# KiCad board SparkFun_BlueSMiRF-ESP32_panelized.kicad_pcb (continued)
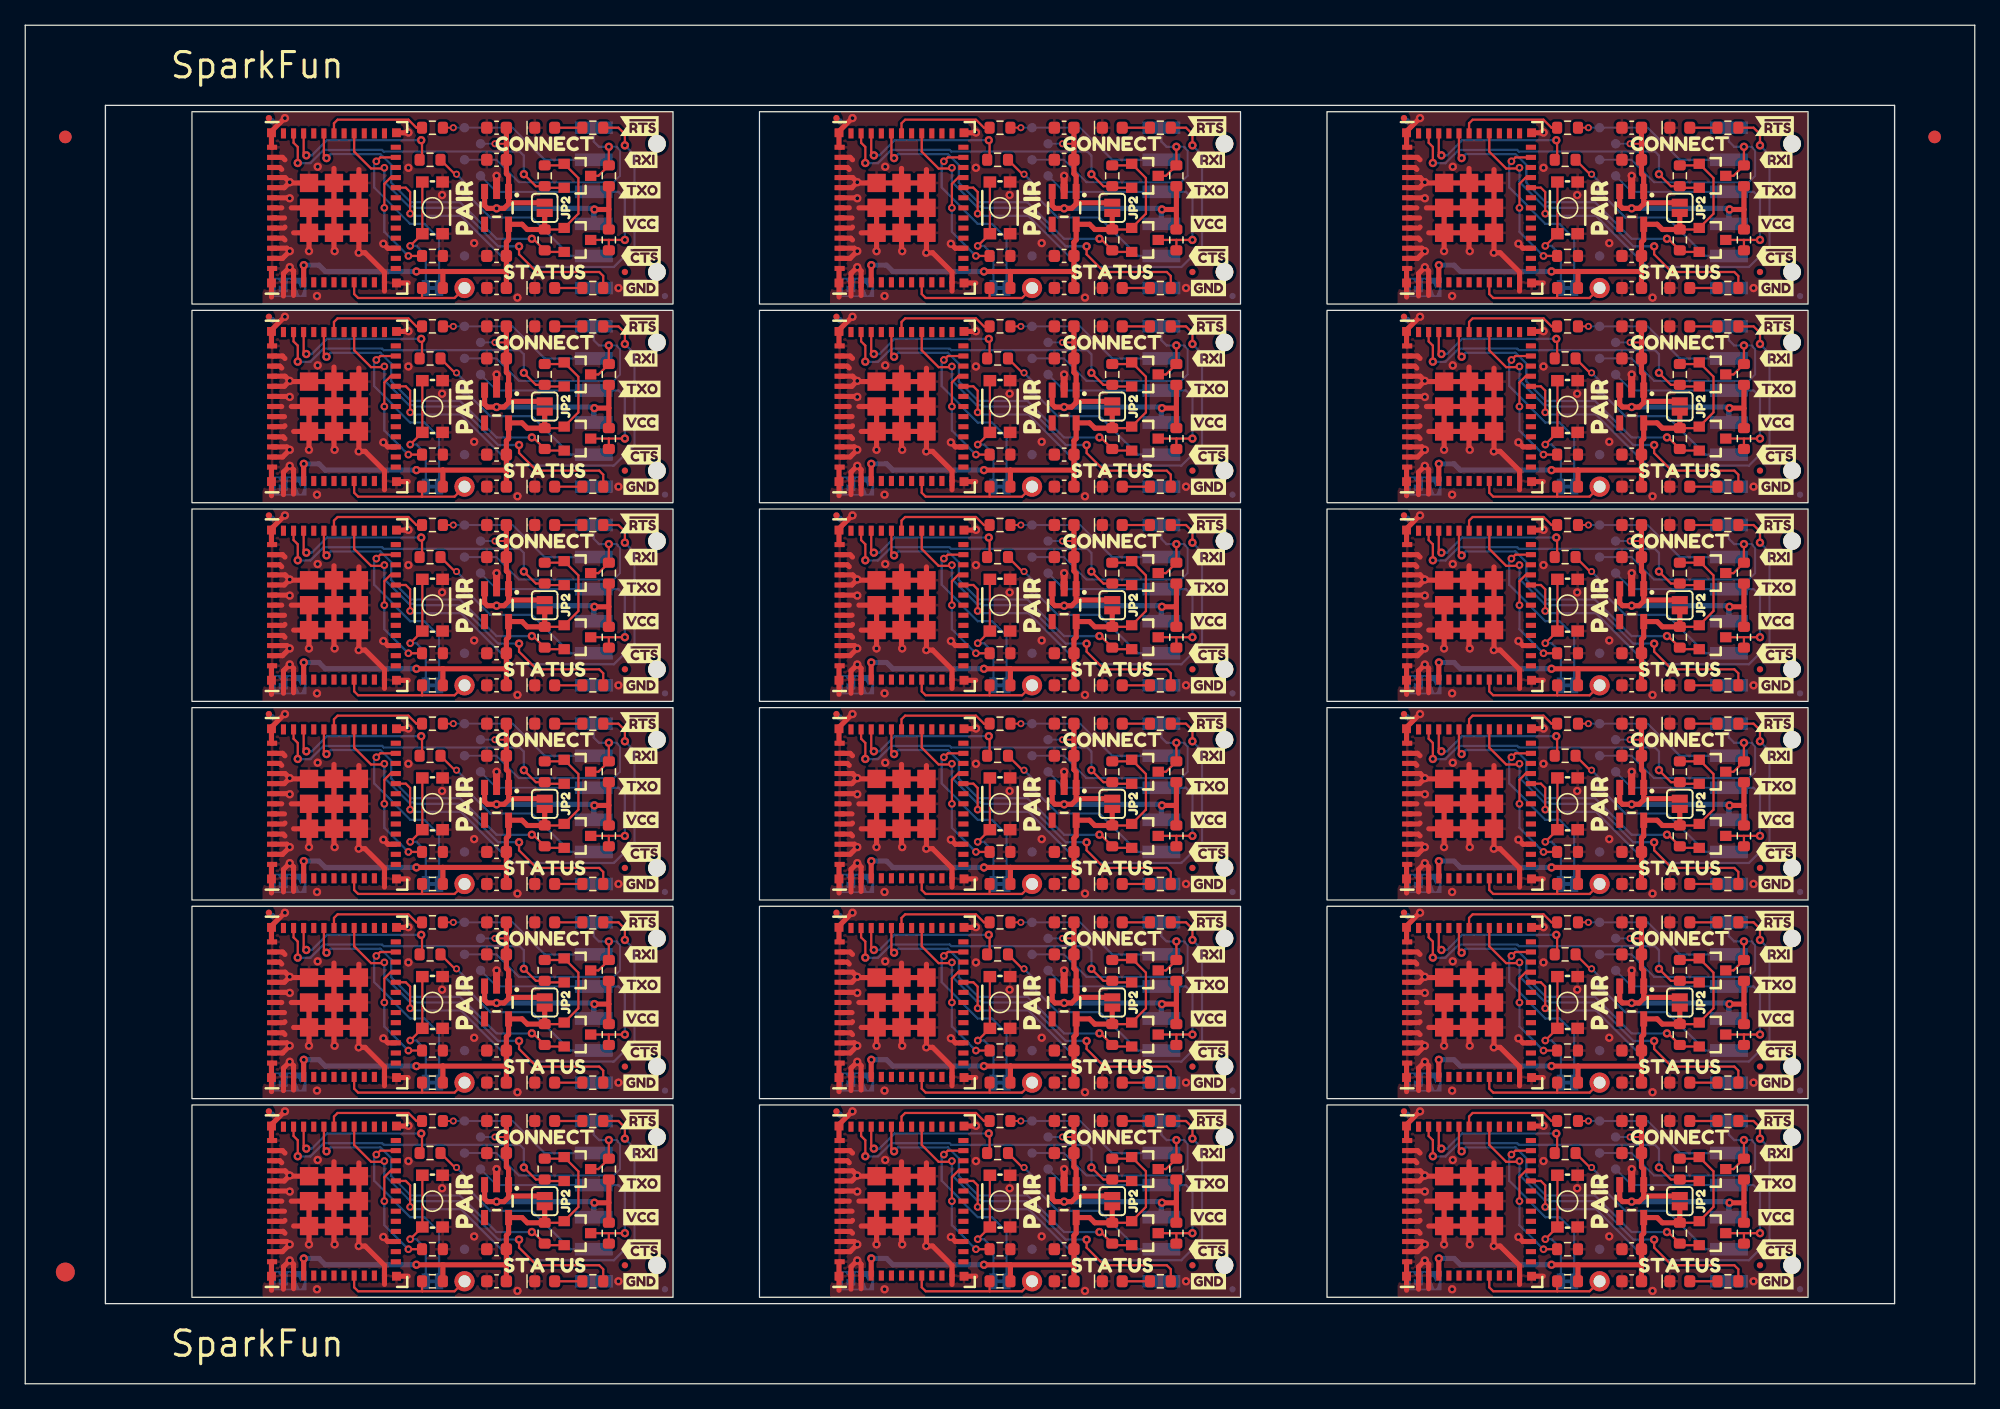
[diagram p0: board, top side]
## Placement (name value [footprint] x y rotation side) (continued)
kibuzzard-64C48455#10  G***  [kibuzzard-64C48455]  93.71 44.68 0 top
kibuzzard-64C48455#11  G***  [kibuzzard-64C48455]  138.66 60.42 0 top
kibuzzard-64C48455#12  G***  [kibuzzard-64C48455]  93.71 91.9 0 top
kibuzzard-64C48455#13  G***  [kibuzzard-64C48455]  48.76 44.68 0 top
kibuzzard-64C48455#14  G***  [kibuzzard-64C48455]  138.66 28.94 0 top
kibuzzard-64C48455#15  G***  [kibuzzard-64C48455]  48.76 76.16 0 top
kibuzzard-64C48455#16  G***  [kibuzzard-64C48455]  93.71 60.42 0 top
kibuzzard-64C48455#17  G***  [kibuzzard-64C48455]  138.66 91.9 0 top
kibuzzard-64C48455#18  G***  [kibuzzard-64C48455]  48.76 60.42 0 top
kibuzzard-655A5C31  G***  [kibuzzard-655A5C31]  42.79 61.69 90 top
kibuzzard-655A5C31#2  G***  [kibuzzard-655A5C31]  132.69 45.95 90 top
kibuzzard-655A5C31#3  G***  [kibuzzard-655A5C31]  42.79 14.47 90 top
kibuzzard-655A5C31#4  G***  [kibuzzard-655A5C31]  132.69 93.17 90 top
kibuzzard-655A5C31#5  G***  [kibuzzard-655A5C31]  87.74 30.21 90 top
kibuzzard-655A5C31#6  G***  [kibuzzard-655A5C31]  132.69 14.47 90 top
kibuzzard-655A5C31#7  G***  [kibuzzard-655A5C31]  87.74 93.17 90 top
kibuzzard-655A5C31#8  G***  [kibuzzard-655A5C31]  132.69 30.21 90 top
kibuzzard-655A5C31#9  G***  [kibuzzard-655A5C31]  42.79 93.17 90 top
kibuzzard-655A5C31#10  G***  [kibuzzard-655A5C31]  42.79 45.95 90 top
kibuzzard-655A5C31#11  G***  [kibuzzard-655A5C31]  87.74 45.95 90 top
kibuzzard-655A5C31#12  G***  [kibuzzard-655A5C31]  87.74 77.43 90 top
kibuzzard-655A5C31#13  G***  [kibuzzard-655A5C31]  87.74 14.47 90 top
kibuzzard-655A5C31#14  G***  [kibuzzard-655A5C31]  132.69 61.69 90 top
kibuzzard-655A5C31#15  G***  [kibuzzard-655A5C31]  42.79 77.43 90 top
kibuzzard-655A5C31#16  G***  [kibuzzard-655A5C31]  42.79 30.21 90 top
kibuzzard-655A5C31#17  G***  [kibuzzard-655A5C31]  87.74 61.69 90 top
kibuzzard-655A5C31#18  G***  [kibuzzard-655A5C31]  132.69 77.43 90 top
kibuzzard-655A45DC  G***  [kibuzzard-655A45DC]  81.9 71.08 180 bottom
kibuzzard-655A45DC#2  G***  [kibuzzard-655A45DC]  36.95 55.34 180 bottom
kibuzzard-655A45DC#3  G***  [kibuzzard-655A45DC]  126.85 8.12 180 bottom
kibuzzard-655A45DC#4  G***  [kibuzzard-655A45DC]  81.9 8.12 180 bottom
kibuzzard-655A45DC#5  G***  [kibuzzard-655A45DC]  126.85 39.6 180 bottom
kibuzzard-655A45DC#6  G***  [kibuzzard-655A45DC]  81.9 39.6 180 bottom
kibuzzard-655A45DC#7  G***  [kibuzzard-655A45DC]  126.85 86.82 180 bottom
kibuzzard-655A45DC#8  G***  [kibuzzard-655A45DC]  126.85 71.08 180 bottom
kibuzzard-655A45DC#9  G***  [kibuzzard-655A45DC]  126.85 23.86 180 bottom
kibuzzard-655A45DC#10  G***  [kibuzzard-655A45DC]  36.95 39.6 180 bottom
kibuzzard-655A45DC#11  G***  [kibuzzard-655A45DC]  126.85 55.34 180 bottom
kibuzzard-655A45DC#12  G***  [kibuzzard-655A45DC]  81.9 86.82 180 bottom
kibuzzard-655A45DC#13  G***  [kibuzzard-655A45DC]  81.9 23.86 180 bottom
kibuzzard-655A45DC#14  G***  [kibuzzard-655A45DC]  36.95 86.82 180 bottom
kibuzzard-655A45DC#15  G***  [kibuzzard-655A45DC]  36.95 71.08 180 bottom
kibuzzard-655A45DC#16  G***  [kibuzzard-655A45DC]  36.95 8.12 180 bottom
kibuzzard-655A45DC#17  G***  [kibuzzard-655A45DC]  36.95 23.86 180 bottom
kibuzzard-655A45DC#18  G***  [kibuzzard-655A45DC]  81.9 55.34 180 bottom
kibuzzard-655A454B  G***  [kibuzzard-655A454B]  41.39 34.02 180 bottom
kibuzzard-655A454B#2  G***  [kibuzzard-655A454B]  41.39 18.28 180 bottom
kibuzzard-655A454B#3  G***  [kibuzzard-655A454B]  86.34 81.24 180 bottom
kibuzzard-655A454B#4  G***  [kibuzzard-655A454B]  41.39 49.76 180 bottom
kibuzzard-655A454B#5  G***  [kibuzzard-655A454B]  131.29 96.98 180 bottom
kibuzzard-655A454B#6  G***  [kibuzzard-655A454B]  41.39 81.24 180 bottom
kibuzzard-655A454B#7  G***  [kibuzzard-655A454B]  131.29 81.24 180 bottom
kibuzzard-655A454B#8  G***  [kibuzzard-655A454B]  86.34 18.28 180 bottom
kibuzzard-655A454B#9  G***  [kibuzzard-655A454B]  86.34 34.02 180 bottom
kibuzzard-655A454B#10  G***  [kibuzzard-655A454B]  131.29 65.5 180 bottom
kibuzzard-655A454B#11  G***  [kibuzzard-655A454B]  86.34 96.98 180 bottom
kibuzzard-655A454B#12  G***  [kibuzzard-655A454B]  131.29 49.76 180 bottom
kibuzzard-655A454B#13  G***  [kibuzzard-655A454B]  86.34 65.5 180 bottom
kibuzzard-655A454B#14  G***  [kibuzzard-655A454B]  86.34 49.76 180 bottom
kibuzzard-655A454B#15  G***  [kibuzzard-655A454B]  41.39 65.5 180 bottom
kibuzzard-655A454B#16  G***  [kibuzzard-655A454B]  41.39 96.98 180 bottom
kibuzzard-655A454B#17  G***  [kibuzzard-655A454B]  131.29 34.02 180 bottom
kibuzzard-655A454B#18  G***  [kibuzzard-655A454B]  131.29 18.28 180 bottom
kibuzzard-655A539C  G***  [kibuzzard-655A539C]  138.53 99.65 0 top
kibuzzard-655A539C#2  G***  [kibuzzard-655A539C]  48.63 36.69 0 top
kibuzzard-655A539C#3  G***  [kibuzzard-655A539C]  48.63 20.95 0 top
kibuzzard-655A539C#4  G***  [kibuzzard-655A539C]  138.53 68.17 0 top
kibuzzard-655A539C#5  G***  [kibuzzard-655A539C]  48.63 52.43 0 top
kibuzzard-655A539C#6  G***  [kibuzzard-655A539C]  93.58 68.17 0 top
kibuzzard-655A539C#7  G***  [kibuzzard-655A539C]  93.58 83.91 0 top
kibuzzard-655A539C#8  G***  [kibuzzard-655A539C]  48.63 68.17 0 top
kibuzzard-655A539C#9  G***  [kibuzzard-655A539C]  93.58 20.95 0 top
kibuzzard-655A539C#10  G***  [kibuzzard-655A539C]  48.63 83.91 0 top
kibuzzard-655A539C#11  G***  [kibuzzard-655A539C]  93.58 52.43 0 top
kibuzzard-655A539C#12  G***  [kibuzzard-655A539C]  93.58 36.69 0 top
kibuzzard-655A539C#13  G***  [kibuzzard-655A539C]  138.53 36.69 0 top
kibuzzard-655A539C#14  G***  [kibuzzard-655A539C]  48.63 99.65 0 top
kibuzzard-655A539C#15  G***  [kibuzzard-655A539C]  138.53 20.95 0 top
kibuzzard-655A539C#16  G***  [kibuzzard-655A539C]  93.58 99.65 0 top
kibuzzard-655A539C#17  G***  [kibuzzard-655A539C]  138.53 52.43 0 top
kibuzzard-655A539C#18  G***  [kibuzzard-655A539C]  138.53 83.91 0 top
kibuzzard-655A4531  G***  [kibuzzard-655A4531]  93.71 65.5 0 top
kibuzzard-655A4531#2  G***  [kibuzzard-655A4531]  48.76 18.28 0 top
kibuzzard-655A4531#3  G***  [kibuzzard-655A4531]  48.76 49.76 0 top
kibuzzard-655A4531#4  G***  [kibuzzard-655A4531]  93.71 49.76 0 top
kibuzzard-655A4531#5  G***  [kibuzzard-655A4531]  138.66 34.02 0 top
kibuzzard-655A4531#6  G***  [kibuzzard-655A4531]  138.66 96.98 0 top
kibuzzard-655A4531#7  G***  [kibuzzard-655A4531]  93.71 96.98 0 top
kibuzzard-655A4531#8  G***  [kibuzzard-655A4531]  93.71 34.02 0 top
kibuzzard-655A4531#9  G***  [kibuzzard-655A4531]  138.66 18.28 0 top
kibuzzard-655A4531#10  G***  [kibuzzard-655A4531]  93.71 81.24 0 top
kibuzzard-655A4531#11  G***  [kibuzzard-655A4531]  48.76 96.98 0 top
kibuzzard-655A4531#12  G***  [kibuzzard-655A4531]  93.71 18.28 0 top
kibuzzard-655A4531#13  G***  [kibuzzard-655A4531]  48.76 34.02 0 top
kibuzzard-655A4531#14  G***  [kibuzzard-655A4531]  48.76 65.5 0 top
kibuzzard-655A4531#15  G***  [kibuzzard-655A4531]  138.66 65.5 0 top
kibuzzard-655A4531#16  G***  [kibuzzard-655A4531]  138.66 81.24 0 top
kibuzzard-655A4531#17  G***  [kibuzzard-655A4531]  48.76 81.24 0 top
kibuzzard-655A4531#18  G***  [kibuzzard-655A4531]  138.66 49.76 0 top
kibuzzard-655A4561  G***  [kibuzzard-655A4561]  85.84 15.71 180 bottom
kibuzzard-655A4561#2  G***  [kibuzzard-655A4561]  40.89 62.93 180 bottom
kibuzzard-655A4561#3  G***  [kibuzzard-655A4561]  130.79 78.67 180 bottom
kibuzzard-655A4561#4  G***  [kibuzzard-655A4561]  40.89 47.19 180 bottom
kibuzzard-655A4561#5  G***  [kibuzzard-655A4561]  130.79 62.93 180 bottom
kibuzzard-655A4561#6  G***  [kibuzzard-655A4561]  85.84 78.67 180 bottom
kibuzzard-655A4561#7  G***  [kibuzzard-655A4561]  40.89 15.71 180 bottom
kibuzzard-655A4561#8  G***  [kibuzzard-655A4561]  85.84 94.41 180 bottom
kibuzzard-655A4561#9  G***  [kibuzzard-655A4561]  130.79 47.19 180 bottom
kibuzzard-655A4561#10  G***  [kibuzzard-655A4561]  40.89 94.41 180 bottom
kibuzzard-655A4561#11  G***  [kibuzzard-655A4561]  130.79 15.71 180 bottom
kibuzzard-655A4561#12  G***  [kibuzzard-655A4561]  85.84 47.19 180 bottom
kibuzzard-655A4561#13  G***  [kibuzzard-655A4561]  130.79 94.41 180 bottom
kibuzzard-655A4561#14  G***  [kibuzzard-655A4561]  40.89 78.67 180 bottom
kibuzzard-655A4561#15  G***  [kibuzzard-655A4561]  40.89 31.45 180 bottom
kibuzzard-655A4561#16  G***  [kibuzzard-655A4561]  130.79 31.45 180 bottom
kibuzzard-655A4561#17  G***  [kibuzzard-655A4561]  85.84 31.45 180 bottom
kibuzzard-655A4561#18  G***  [kibuzzard-655A4561]  85.84 62.93 180 bottom
kibuzzard-655A5305  G***  [kibuzzard-655A5305]  40.25 60.42 180 bottom
kibuzzard-655A5305#2  G***  [kibuzzard-655A5305]  130.15 28.94 180 bottom
kibuzzard-655A5305#3  G***  [kibuzzard-655A5305]  40.25 91.9 180 bottom
kibuzzard-655A5305#4  G***  [kibuzzard-655A5305]  40.25 44.68 180 bottom
kibuzzard-655A5305#5  G***  [kibuzzard-655A5305]  130.15 76.16 180 bottom
kibuzzard-655A5305#6  G***  [kibuzzard-655A5305]  40.25 28.94 180 bottom
kibuzzard-655A5305#7  G***  [kibuzzard-655A5305]  40.25 76.16 180 bottom
kibuzzard-655A5305#8  G***  [kibuzzard-655A5305]  130.15 60.42 180 bottom
kibuzzard-655A5305#9  G***  [kibuzzard-655A5305]  85.2 60.42 180 bottom
kibuzzard-655A5305#10  G***  [kibuzzard-655A5305]  85.2 13.2 180 bottom
kibuzzard-655A5305#11  G***  [kibuzzard-655A5305]  130.15 44.68 180 bottom
kibuzzard-655A5305#12  G***  [kibuzzard-655A5305]  85.2 91.9 180 bottom
kibuzzard-655A5305#13  G***  [kibuzzard-655A5305]  85.2 44.68 180 bottom
kibuzzard-655A5305#14  G***  [kibuzzard-655A5305]  85.2 76.16 180 bottom
kibuzzard-655A5305#15  G***  [kibuzzard-655A5305]  130.15 13.2 180 bottom
kibuzzard-655A5305#16  G***  [kibuzzard-655A5305]  40.25 13.2 180 bottom
kibuzzard-655A5305#17  G***  [kibuzzard-655A5305]  85.2 28.94 180 bottom
kibuzzard-655A5305#18  G***  [kibuzzard-655A5305]  130.15 91.9 180 bottom
kibuzzard-655A5381  G***  [kibuzzard-655A5381]  48.63 94.57 0 top
kibuzzard-655A5381#2  G***  [kibuzzard-655A5381]  138.53 15.87 0 top
kibuzzard-655A5381#3  G***  [kibuzzard-655A5381]  138.53 47.35 0 top
kibuzzard-655A5381#4  G***  [kibuzzard-655A5381]  138.53 94.57 0 top
kibuzzard-655A5381#5  G***  [kibuzzard-655A5381]  48.63 31.61 0 top
kibuzzard-655A5381#6  G***  [kibuzzard-655A5381]  48.63 15.87 0 top
kibuzzard-655A5381#7  G***  [kibuzzard-655A5381]  93.58 78.83 0 top
kibuzzard-655A5381#8  G***  [kibuzzard-655A5381]  48.63 47.35 0 top
kibuzzard-655A5381#9  G***  [kibuzzard-655A5381]  93.58 94.57 0 top
kibuzzard-655A5381#10  G***  [kibuzzard-655A5381]  138.53 78.83 0 top
kibuzzard-655A5381#11  G***  [kibuzzard-655A5381]  93.58 15.87 0 top
kibuzzard-655A5381#12  G***  [kibuzzard-655A5381]  138.53 31.61 0 top
kibuzzard-655A5381#13  G***  [kibuzzard-655A5381]  93.58 47.35 0 top
kibuzzard-655A5381#14  G***  [kibuzzard-655A5381]  93.58 63.09 0 top
kibuzzard-655A5381#15  G***  [kibuzzard-655A5381]  48.63 78.83 0 top
kibuzzard-655A5381#16  G***  [kibuzzard-655A5381]  93.58 31.61 0 top
kibuzzard-655A5381#17  G***  [kibuzzard-655A5381]  48.63 63.09 0 top
kibuzzard-655A5381#18  G***  [kibuzzard-655A5381]  138.53 63.09 0 top
kibuzzard-65022EAF  G***  [kibuzzard-65022EAF]  86.22 39.6 180 bottom
kibuzzard-65022EAF#2  G***  [kibuzzard-65022EAF]  86.22 55.34 180 bottom
kibuzzard-65022EAF#3  G***  [kibuzzard-65022EAF]  41.27 55.34 180 bottom
kibuzzard-65022EAF#4  G***  [kibuzzard-65022EAF]  41.27 23.86 180 bottom
kibuzzard-65022EAF#5  G***  [kibuzzard-65022EAF]  86.22 23.86 180 bottom
kibuzzard-65022EAF#6  G***  [kibuzzard-65022EAF]  41.27 8.12 180 bottom
kibuzzard-65022EAF#7  G***  [kibuzzard-65022EAF]  131.17 39.6 180 bottom
kibuzzard-65022EAF#8  G***  [kibuzzard-65022EAF]  86.22 86.82 180 bottom
kibuzzard-65022EAF#9  G***  [kibuzzard-65022EAF]  131.17 55.34 180 bottom
kibuzzard-65022EAF#10  G***  [kibuzzard-65022EAF]  131.17 23.86 180 bottom
kibuzzard-65022EAF#11  G***  [kibuzzard-65022EAF]  41.27 39.6 180 bottom
kibuzzard-65022EAF#12  G***  [kibuzzard-65022EAF]  131.17 8.12 180 bottom
kibuzzard-65022EAF#13  G***  [kibuzzard-65022EAF]  41.27 71.08 180 bottom
kibuzzard-65022EAF#14  G***  [kibuzzard-65022EAF]  131.17 86.82 180 bottom
kibuzzard-65022EAF#15  G***  [kibuzzard-65022EAF]  131.17 71.08 180 bottom
kibuzzard-65022EAF#16  G***  [kibuzzard-65022EAF]  86.22 71.08 180 bottom
kibuzzard-65022EAF#17  G***  [kibuzzard-65022EAF]  41.27 86.82 180 bottom
kibuzzard-65022EAF#18  G***  [kibuzzard-65022EAF]  86.22 8.12 180 bottom
kibuzzard-65022F1B  G***  [kibuzzard-65022F1B]  119.23 39.59 180 bottom
kibuzzard-65022F1B#2  G***  [kibuzzard-65022F1B]  119.23 86.81 180 bottom
kibuzzard-65022F1B#3  G***  [kibuzzard-65022F1B]  74.28 23.85 180 bottom
kibuzzard-65022F1B#4  G***  [kibuzzard-65022F1B]  119.23 8.11 180 bottom
kibuzzard-65022F1B#5  G***  [kibuzzard-65022F1B]  29.33 39.59 180 bottom
kibuzzard-65022F1B#6  G***  [kibuzzard-65022F1B]  119.23 71.07 180 bottom
kibuzzard-65022F1B#7  G***  [kibuzzard-65022F1B]  74.28 55.33 180 bottom
kibuzzard-65022F1B#8  G***  [kibuzzard-65022F1B]  74.28 39.59 180 bottom
kibuzzard-65022F1B#9  G***  [kibuzzard-65022F1B]  29.33 23.85 180 bottom
kibuzzard-65022F1B#10  G***  [kibuzzard-65022F1B]  119.23 23.85 180 bottom
kibuzzard-65022F1B#11  G***  [kibuzzard-65022F1B]  74.28 86.81 180 bottom
kibuzzard-65022F1B#12  G***  [kibuzzard-65022F1B]  74.28 71.07 180 bottom
kibuzzard-65022F1B#13  G***  [kibuzzard-65022F1B]  29.33 55.33 180 bottom
kibuzzard-65022F1B#14  G***  [kibuzzard-65022F1B]  74.28 8.11 180 bottom
kibuzzard-65022F1B#15  G***  [kibuzzard-65022F1B]  29.33 71.07 180 bottom
kibuzzard-65022F1B#16  G***  [kibuzzard-65022F1B]  119.23 55.33 180 bottom
kibuzzard-65022F1B#17  G***  [kibuzzard-65022F1B]  29.33 8.11 180 bottom
kibuzzard-65022F1B#18  G***  [kibuzzard-65022F1B]  29.33 86.81 180 bottom
kibuzzard-65597E65  G***  [kibuzzard-65597E65]  48.76 57.88 0 top
kibuzzard-65597E65#2  G***  [kibuzzard-65597E65]  93.71 10.66 0 top
kibuzzard-65597E65#3  G***  [kibuzzard-65597E65]  138.66 42.14 0 top
kibuzzard-65597E65#4  G***  [kibuzzard-65597E65]  138.66 89.36 0 top
kibuzzard-65597E65#5  G***  [kibuzzard-65597E65]  138.66 73.62 0 top
kibuzzard-65597E65#6  G***  [kibuzzard-65597E65]  93.71 89.36 0 top
kibuzzard-65597E65#7  G***  [kibuzzard-65597E65]  48.76 89.36 0 top
kibuzzard-65597E65#8  G***  [kibuzzard-65597E65]  48.76 10.66 0 top
kibuzzard-65597E65#9  G***  [kibuzzard-65597E65]  138.66 10.66 0 top
kibuzzard-65597E65#10  G***  [kibuzzard-65597E65]  93.71 26.4 0 top
kibuzzard-65597E65#11  G***  [kibuzzard-65597E65]  138.66 57.88 0 top
kibuzzard-65597E65#12  G***  [kibuzzard-65597E65]  93.71 42.14 0 top
kibuzzard-65597E65#13  G***  [kibuzzard-65597E65]  48.76 73.62 0 top
kibuzzard-65597E65#14  G***  [kibuzzard-65597E65]  48.76 26.4 0 top
kibuzzard-65597E65#15  G***  [kibuzzard-65597E65]  93.71 57.88 0 top
kibuzzard-65597E65#16  G***  [kibuzzard-65597E65]  93.71 73.62 0 top
kibuzzard-65597E65#17  G***  [kibuzzard-65597E65]  48.76 42.14 0 top
kibuzzard-65597E65#18  G***  [kibuzzard-65597E65]  138.66 26.4 0 top
kibuzzard-65597EC2  G***  [kibuzzard-65597EC2]  130.91 89.36 180 bottom
kibuzzard-65597EC2#2  G***  [kibuzzard-65597EC2]  85.96 10.66 180 bottom
kibuzzard-65597EC2#3  G***  [kibuzzard-65597EC2]  41.01 26.4 180 bottom
kibuzzard-65597EC2#4  G***  [kibuzzard-65597EC2]  41.01 73.62 180 bottom
kibuzzard-65597EC2#5  G***  [kibuzzard-65597EC2]  85.96 57.88 180 bottom
kibuzzard-65597EC2#6  G***  [kibuzzard-65597EC2]  130.91 73.62 180 bottom
kibuzzard-65597EC2#7  G***  [kibuzzard-65597EC2]  41.01 89.36 180 bottom
kibuzzard-65597EC2#8  G***  [kibuzzard-65597EC2]  85.96 42.14 180 bottom
kibuzzard-65597EC2#9  G***  [kibuzzard-65597EC2]  130.91 26.4 180 bottom
kibuzzard-65597EC2#10  G***  [kibuzzard-65597EC2]  41.01 42.14 180 bottom
kibuzzard-65597EC2#11  G***  [kibuzzard-65597EC2]  85.96 89.36 180 bottom
kibuzzard-65597EC2#12  G***  [kibuzzard-65597EC2]  41.01 10.66 180 bottom
kibuzzard-65597EC2#13  G***  [kibuzzard-65597EC2]  41.01 57.88 180 bottom
kibuzzard-65597EC2#14  G***  [kibuzzard-65597EC2]  85.96 73.62 180 bottom
kibuzzard-65597EC2#15  G***  [kibuzzard-65597EC2]  85.96 26.4 180 bottom
kibuzzard-65597EC2#16  G***  [kibuzzard-65597EC2]  130.91 42.14 180 bottom
kibuzzard-65597EC2#17  G***  [kibuzzard-65597EC2]  130.91 57.88 180 bottom
kibuzzard-65597EC2#18  G***  [kibuzzard-65597EC2]  130.91 10.66 180 bottom
kibuzzard-65597EE2  G***  [kibuzzard-65597EE2]  41.14 36.55 180 bottom
kibuzzard-65597EE2#2  G***  [kibuzzard-65597EE2]  86.09 68.03 180 bottom
kibuzzard-65597EE2#3  G***  [kibuzzard-65597EE2]  41.14 68.03 180 bottom
kibuzzard-65597EE2#4  G***  [kibuzzard-65597EE2]  86.09 20.81 180 bottom
kibuzzard-65597EE2#5  G***  [kibuzzard-65597EE2]  131.04 99.51 180 bottom
kibuzzard-65597EE2#6  G***  [kibuzzard-65597EE2]  131.04 68.03 180 bottom
kibuzzard-65597EE2#7  G***  [kibuzzard-65597EE2]  86.09 52.29 180 bottom
kibuzzard-65597EE2#8  G***  [kibuzzard-65597EE2]  86.09 36.55 180 bottom
kibuzzard-65597EE2#9  G***  [kibuzzard-65597EE2]  131.04 83.77 180 bottom
kibuzzard-65597EE2#10  G***  [kibuzzard-65597EE2]  86.09 83.77 180 bottom
kibuzzard-65597EE2#11  G***  [kibuzzard-65597EE2]  41.14 20.81 180 bottom
kibuzzard-65597EE2#12  G***  [kibuzzard-65597EE2]  41.14 99.51 180 bottom
kibuzzard-65597EE2#13  G***  [kibuzzard-65597EE2]  131.04 20.81 180 bottom
kibuzzard-65597EE2#14  G***  [kibuzzard-65597EE2]  131.04 36.55 180 bottom
kibuzzard-65597EE2#15  G***  [kibuzzard-65597EE2]  41.14 83.77 180 bottom
kibuzzard-65597EE2#16  G***  [kibuzzard-65597EE2]  86.09 99.51 180 bottom
kibuzzard-65597EE2#17  G***  [kibuzzard-65597EE2]  131.04 52.29 180 bottom
kibuzzard-65597EE2#18  G***  [kibuzzard-65597EE2]  41.14 52.29 180 bottom
kibuzzard-6502231B  G***  [kibuzzard-6502231B]  79.74 30.21 90 top
kibuzzard-6502231B#2  G***  [kibuzzard-6502231B]  34.79 14.47 90 top
kibuzzard-6502231B#3  G***  [kibuzzard-6502231B]  124.69 14.47 90 top
kibuzzard-6502231B#4  G***  [kibuzzard-6502231B]  79.74 93.17 90 top
kibuzzard-6502231B#5  G***  [kibuzzard-6502231B]  124.69 30.21 90 top
kibuzzard-6502231B#6  G***  [kibuzzard-6502231B]  34.79 45.95 90 top
kibuzzard-6502231B#7  G***  [kibuzzard-6502231B]  124.69 45.95 90 top
kibuzzard-6502231B#8  G***  [kibuzzard-6502231B]  34.79 30.21 90 top
kibuzzard-6502231B#9  G***  [kibuzzard-6502231B]  34.79 93.17 90 top
kibuzzard-6502231B#10  G***  [kibuzzard-6502231B]  79.74 45.95 90 top
kibuzzard-6502231B#11  G***  [kibuzzard-6502231B]  124.69 61.69 90 top
kibuzzard-6502231B#12  G***  [kibuzzard-6502231B]  124.69 93.17 90 top
kibuzzard-6502231B#13  G***  [kibuzzard-6502231B]  34.79 77.43 90 top
kibuzzard-6502231B#14  G***  [kibuzzard-6502231B]  79.74 61.69 90 top
kibuzzard-6502231B#15  G***  [kibuzzard-6502231B]  124.69 77.43 90 top
kibuzzard-6502231B#16  G***  [kibuzzard-6502231B]  34.79 61.69 90 top
kibuzzard-6502231B#17  G***  [kibuzzard-6502231B]  79.74 77.43 90 top
kibuzzard-6502231B#18  G***  [kibuzzard-6502231B]  79.74 14.47 90 top
kibuzzard-6502302E  G***  [kibuzzard-6502302E]  41.14 66.77 0 top
kibuzzard-6502302E#2  G***  [kibuzzard-6502302E]  131.04 66.77 0 top
kibuzzard-6502302E#3  G***  [kibuzzard-6502302E]  41.14 82.51 0 top
kibuzzard-6502302E#4  G***  [kibuzzard-6502302E]  86.09 35.29 0 top
kibuzzard-6502302E#5  G***  [kibuzzard-6502302E]  41.14 98.25 0 top
kibuzzard-6502302E#6  G***  [kibuzzard-6502302E]  131.04 82.51 0 top
kibuzzard-6502302E#7  G***  [kibuzzard-6502302E]  41.14 19.55 0 top
kibuzzard-6502302E#8  G***  [kibuzzard-6502302E]  86.09 66.77 0 top
kibuzzard-6502302E#9  G***  [kibuzzard-6502302E]  41.14 35.29 0 top
kibuzzard-6502302E#10  G***  [kibuzzard-6502302E]  41.14 51.03 0 top
kibuzzard-6502302E#11  G***  [kibuzzard-6502302E]  131.04 51.03 0 top
kibuzzard-6502302E#12  G***  [kibuzzard-6502302E]  131.04 35.29 0 top
kibuzzard-6502302E#13  G***  [kibuzzard-6502302E]  131.04 19.55 0 top
kibuzzard-6502302E#14  G***  [kibuzzard-6502302E]  86.09 98.25 0 top
kibuzzard-6502302E#15  G***  [kibuzzard-6502302E]  131.04 98.25 0 top
kibuzzard-6502302E#16  G***  [kibuzzard-6502302E]  86.09 82.51 0 top
kibuzzard-6502302E#17  G***  [kibuzzard-6502302E]  86.09 19.55 0 top
kibuzzard-6502302E#18  G***  [kibuzzard-6502302E]  86.09 51.03 0 top
kibuzzard-65023040  G***  [kibuzzard-65023040]  131.04 88.09 0 top
kibuzzard-65023040#2  G***  [kibuzzard-65023040]  86.09 88.09 0 top
kibuzzard-65023040#3  G***  [kibuzzard-65023040]  41.14 88.09 0 top
kibuzzard-65023040#4  G***  [kibuzzard-65023040]  41.14 25.13 0 top
kibuzzard-65023040#5  G***  [kibuzzard-65023040]  41.14 72.35 0 top
kibuzzard-65023040#6  G***  [kibuzzard-65023040]  86.09 25.13 0 top
kibuzzard-65023040#7  G***  [kibuzzard-65023040]  131.04 72.35 0 top
kibuzzard-65023040#8  G***  [kibuzzard-65023040]  41.14 40.87 0 top
kibuzzard-65023040#9  G***  [kibuzzard-65023040]  86.09 40.87 0 top
kibuzzard-65023040#10  G***  [kibuzzard-65023040]  131.04 56.61 0 top
kibuzzard-65023040#11  G***  [kibuzzard-65023040]  131.04 25.13 0 top
kibuzzard-65023040#12  G***  [kibuzzard-65023040]  86.09 72.35 0 top
kibuzzard-65023040#13  G***  [kibuzzard-65023040]  131.04 9.39 0 top
kibuzzard-65023040#14  G***  [kibuzzard-65023040]  86.09 56.61 0 top
kibuzzard-65023040#15  G***  [kibuzzard-65023040]  131.04 40.87 0 top
kibuzzard-65023040#16  G***  [kibuzzard-65023040]  41.14 9.39 0 top
kibuzzard-65023040#17  G***  [kibuzzard-65023040]  41.14 56.61 0 top
kibuzzard-65023040#18  G***  [kibuzzard-65023040]  86.09 9.39 0 top
NOREF  -  [Fiducial_1mm_Mask3mm]  151.22 98.79 0 top
NOREF#2  -  [Fiducial_1.5mm_Mask3mm]  3.17 8.85 0 top
NOREF#3  -  [Fiducial_1mm_Mask3mm]  3.17 98.79 0 top
NOREF#4  -  [Fiducial_1.5mm_Mask3mm]  3.17 8.85 0 bottom
NOREF#5  -  [Fiducial_1mm_Mask3mm]  151.22 98.79 0 bottom
NOREF#6  -  [Fiducial_1mm_Mask3mm]  3.17 98.79 0 bottom
Q1  NMOS_0.2A_50V  [SOT23-3]  133.58 43.41 0 top
Q1#2  NMOS_0.2A_50V  [SOT23-3]  43.68 90.63 0 top
Q1#3  NMOS_0.2A_50V  [SOT23-3]  133.58 59.15 0 top
Q1#4  NMOS_0.2A_50V  [SOT23-3]  88.63 11.93 0 top
Q1#5  NMOS_0.2A_50V  [SOT23-3]  133.58 11.93 0 top
Q1#6  NMOS_0.2A_50V  [SOT23-3]  43.68 27.67 0 top
Q1#7  NMOS_0.2A_50V  [SOT23-3]  88.63 74.89 0 top
Q1#8  NMOS_0.2A_50V  [SOT23-3]  133.58 74.89 0 top
Q1#9  NMOS_0.2A_50V  [SOT23-3]  133.58 27.67 0 top
Q1#10  NMOS_0.2A_50V  [SOT23-3]  43.68 59.15 0 top
Q1#11  NMOS_0.2A_50V  [SOT23-3]  88.63 43.41 0 top
Q1#12  NMOS_0.2A_50V  [SOT23-3]  133.58 90.63 0 top
Q1#13  NMOS_0.2A_50V  [SOT23-3]  43.68 74.89 0 top
Q1#14  NMOS_0.2A_50V  [SOT23-3]  43.68 11.93 0 top
Q1#15  NMOS_0.2A_50V  [SOT23-3]  88.63 90.63 0 top
Q1#16  NMOS_0.2A_50V  [SOT23-3]  43.68 43.41 0 top
Q1#17  NMOS_0.2A_50V  [SOT23-3]  88.63 27.67 0 top
Q1#18  NMOS_0.2A_50V  [SOT23-3]  88.63 59.15 0 top
Q2  NMOS_0.2A_50V  [SOT23-3]  88.63 48.49 0 top
Q2#2  NMOS_0.2A_50V  [SOT23-3]  43.68 32.75 0 top
Q2#3  NMOS_0.2A_50V  [SOT23-3]  43.68 17.01 0 top
Q2#4  NMOS_0.2A_50V  [SOT23-3]  43.68 79.97 0 top
Q2#5  NMOS_0.2A_50V  [SOT23-3]  133.58 17.01 0 top
Q2#6  NMOS_0.2A_50V  [SOT23-3]  43.68 48.49 0 top
Q2#7  NMOS_0.2A_50V  [SOT23-3]  133.58 95.71 0 top
Q2#8  NMOS_0.2A_50V  [SOT23-3]  133.58 64.23 0 top
Q2#9  NMOS_0.2A_50V  [SOT23-3]  133.58 79.97 0 top
Q2#10  NMOS_0.2A_50V  [SOT23-3]  88.63 64.23 0 top
Q2#11  NMOS_0.2A_50V  [SOT23-3]  133.58 32.75 0 top
Q2#12  NMOS_0.2A_50V  [SOT23-3]  88.63 95.71 0 top
Q2#13  NMOS_0.2A_50V  [SOT23-3]  133.58 48.49 0 top
Q2#14  NMOS_0.2A_50V  [SOT23-3]  88.63 32.75 0 top
Q2#15  NMOS_0.2A_50V  [SOT23-3]  88.63 17.01 0 top
Q2#16  NMOS_0.2A_50V  [SOT23-3]  43.68 64.23 0 top
Q2#17  NMOS_0.2A_50V  [SOT23-3]  88.63 79.97 0 top
Q2#18  NMOS_0.2A_50V  [SOT23-3]  43.68 95.71 0 top
R1  4.7k  [R_0603_1608Metric]  32.25 71.08 180 top
R1#2  4.7k  [R_0603_1608Metric]  122.15 8.12 180 top
R1#3  4.7k  [R_0603_1608Metric]  77.2 8.12 180 top
R1#4  4.7k  [R_0603_1608Metric]  32.25 86.82 180 top
R1#5  4.7k  [R_0603_1608Metric]  122.15 55.34 180 top
R1#6  4.7k  [R_0603_1608Metric]  77.2 55.34 180 top
R1#7  4.7k  [R_0603_1608Metric]  122.15 86.82 180 top
R1#8  4.7k  [R_0603_1608Metric]  122.15 23.86 180 top
R1#9  4.7k  [R_0603_1608Metric]  77.2 23.86 180 top
R1#10  4.7k  [R_0603_1608Metric]  32.25 39.6 180 top
R1#11  4.7k  [R_0603_1608Metric]  32.25 23.86 180 top
R1#12  4.7k  [R_0603_1608Metric]  77.2 71.08 180 top
R1#13  4.7k  [R_0603_1608Metric]  32.25 55.34 180 top
R1#14  4.7k  [R_0603_1608Metric]  122.15 71.08 180 top
R1#15  4.7k  [R_0603_1608Metric]  77.2 39.6 180 top
R1#16  4.7k  [R_0603_1608Metric]  122.15 39.6 180 top
R1#17  4.7k  [R_0603_1608Metric]  77.2 86.82 180 top
R1#18  4.7k  [R_0603_1608Metric]  32.25 8.12 180 top
R2  10k  [R_0603_1608Metric]  122.15 42.14 0 top
R2#2  10k  [R_0603_1608Metric]  122.15 10.66 0 top
R2#3  10k  [R_0603_1608Metric]  77.2 73.62 0 top
R2#4  10k  [R_0603_1608Metric]  77.2 89.36 0 top
R2#5  10k  [R_0603_1608Metric]  77.2 26.4 0 top
R2#6  10k  [R_0603_1608Metric]  122.15 89.36 0 top
R2#7  10k  [R_0603_1608Metric]  32.25 26.4 0 top
R2#8  10k  [R_0603_1608Metric]  32.25 57.88 0 top
R2#9  10k  [R_0603_1608Metric]  122.15 26.4 0 top
R2#10  10k  [R_0603_1608Metric]  122.15 57.88 0 top
R2#11  10k  [R_0603_1608Metric]  77.2 42.14 0 top
R2#12  10k  [R_0603_1608Metric]  32.25 73.62 0 top
R2#13  10k  [R_0603_1608Metric]  32.25 10.66 0 top
R2#14  10k  [R_0603_1608Metric]  122.15 73.62 0 top
R2#15  10k  [R_0603_1608Metric]  32.25 42.14 0 top
R2#16  10k  [R_0603_1608Metric]  77.2 10.66 0 top
R2#17  10k  [R_0603_1608Metric]  77.2 57.88 0 top
R2#18  10k  [R_0603_1608Metric]  32.25 89.36 0 top
R3  1k  [R_0603_1608Metric]  122.15 20.82 0 top
R3#2  1k  [R_0603_1608Metric]  32.25 83.78 0 top
R3#3  1k  [R_0603_1608Metric]  32.25 52.3 0 top
R3#4  1k  [R_0603_1608Metric]  32.25 36.56 0 top
R3#5  1k  [R_0603_1608Metric]  32.25 68.04 0 top
R3#6  1k  [R_0603_1608Metric]  77.2 99.52 0 top
R3#7  1k  [R_0603_1608Metric]  32.25 99.52 0 top
R3#8  1k  [R_0603_1608Metric]  77.2 52.3 0 top
R3#9  1k  [R_0603_1608Metric]  122.15 52.3 0 top
R3#10  1k  [R_0603_1608Metric]  122.15 99.52 0 top
R3#11  1k  [R_0603_1608Metric]  77.2 68.04 0 top
R3#12  1k  [R_0603_1608Metric]  77.2 36.56 0 top
R3#13  1k  [R_0603_1608Metric]  77.2 20.82 0 top
R3#14  1k  [R_0603_1608Metric]  32.25 20.82 0 top
R3#15  1k  [R_0603_1608Metric]  122.15 83.78 0 top
R3#16  1k  [R_0603_1608Metric]  122.15 36.56 0 top
R3#17  1k  [R_0603_1608Metric]  77.2 83.78 0 top
R3#18  1k  [R_0603_1608Metric]  122.15 68.04 0 top
R4  1k  [R_0603_1608Metric]  32.06 34.02 0 top
R4#2  1k  [R_0603_1608Metric]  77.01 81.24 0 top
R4#3  1k  [R_0603_1608Metric]  32.06 81.24 0 top
R4#4  1k  [R_0603_1608Metric]  32.06 18.28 0 top
R4#5  1k  [R_0603_1608Metric]  121.96 96.98 0 top
R4#6  1k  [R_0603_1608Metric]  77.01 65.5 0 top
R4#7  1k  [R_0603_1608Metric]  121.96 65.5 0 top
R4#8  1k  [R_0603_1608Metric]  77.01 34.02 0 top
R4#9  1k  [R_0603_1608Metric]  121.96 81.24 0 top
R4#10  1k  [R_0603_1608Metric]  121.96 18.28 0 top
R4#11  1k  [R_0603_1608Metric]  77.01 49.76 0 top
R4#12  1k  [R_0603_1608Metric]  121.96 49.76 0 top
R4#13  1k  [R_0603_1608Metric]  32.06 49.76 0 top
R4#14  1k  [R_0603_1608Metric]  121.96 34.02 0 top
R4#15  1k  [R_0603_1608Metric]  77.01 18.28 0 top
R4#16  1k  [R_0603_1608Metric]  77.01 96.98 0 top
R4#17  1k  [R_0603_1608Metric]  32.06 96.98 0 top
R4#18  1k  [R_0603_1608Metric]  32.06 65.5 0 top
R5  330  [R_0603_1608Metric]  134.85 52.3 180 top
R5#2  330  [R_0603_1608Metric]  44.95 83.78 180 top
R5#3  330  [R_0603_1608Metric]  44.95 36.56 180 top
R5#4  330  [R_0603_1608Metric]  44.95 52.3 180 top
R5#5  330  [R_0603_1608Metric]  134.85 20.82 180 top
R5#6  330  [R_0603_1608Metric]  89.9 99.52 180 top
R5#7  330  [R_0603_1608Metric]  89.9 68.04 180 top
R5#8  330  [R_0603_1608Metric]  89.9 52.3 180 top
R5#9  330  [R_0603_1608Metric]  89.9 83.78 180 top
R5#10  330  [R_0603_1608Metric]  44.95 20.82 180 top
R5#11  330  [R_0603_1608Metric]  134.85 68.04 180 top
R5#12  330  [R_0603_1608Metric]  89.9 20.82 180 top
R5#13  330  [R_0603_1608Metric]  134.85 83.78 180 top
R5#14  330  [R_0603_1608Metric]  134.85 99.52 180 top
R5#15  330  [R_0603_1608Metric]  89.9 36.56 180 top
R5#16  330  [R_0603_1608Metric]  44.95 99.52 180 top
R5#17  330  [R_0603_1608Metric]  44.95 68.04 180 top
R5#18  330  [R_0603_1608Metric]  134.85 36.56 180 top
R6  4.7k  [R_0603_1608Metric]  89.9 86.82 180 top
R6#2  4.7k  [R_0603_1608Metric]  89.9 8.12 180 top
R6#3  4.7k  [R_0603_1608Metric]  134.85 23.86 180 top
R6#4  4.7k  [R_0603_1608Metric]  134.85 8.12 180 top
R6#5  4.7k  [R_0603_1608Metric]  44.95 39.6 180 top
R6#6  4.7k  [R_0603_1608Metric]  134.85 55.34 180 top
R6#7  4.7k  [R_0603_1608Metric]  44.95 8.12 180 top
R6#8  4.7k  [R_0603_1608Metric]  89.9 71.08 180 top
R6#9  4.7k  [R_0603_1608Metric]  89.9 23.86 180 top
R6#10  4.7k  [R_0603_1608Metric]  134.85 71.08 180 top
R6#11  4.7k  [R_0603_1608Metric]  89.9 55.34 180 top
R6#12  4.7k  [R_0603_1608Metric]  44.95 86.82 180 top
R6#13  4.7k  [R_0603_1608Metric]  44.95 23.86 180 top
R6#14  4.7k  [R_0603_1608Metric]  134.85 86.82 180 top
R6#15  4.7k  [R_0603_1608Metric]  44.95 71.08 180 top
R6#16  4.7k  [R_0603_1608Metric]  134.85 39.6 180 top
R6#17  4.7k  [R_0603_1608Metric]  89.9 39.6 180 top
R6#18  4.7k  [R_0603_1608Metric]  44.95 55.34 180 top
R7  1k  [R_0603_1608Metric]  41.14 90.63 270 top
R7#2  1k  [R_0603_1608Metric]  86.09 27.67 270 top
R7#3  1k  [R_0603_1608Metric]  41.14 11.93 270 top
R7#4  1k  [R_0603_1608Metric]  86.09 90.63 270 top
R7#5  1k  [R_0603_1608Metric]  131.04 11.93 270 top
R7#6  1k  [R_0603_1608Metric]  41.14 27.67 270 top
R7#7  1k  [R_0603_1608Metric]  131.04 59.15 270 top
R7#8  1k  [R_0603_1608Metric]  86.09 11.93 270 top
R7#9  1k  [R_0603_1608Metric]  86.09 59.15 270 top
R7#10  1k  [R_0603_1608Metric]  131.04 90.63 270 top
R7#11  1k  [R_0603_1608Metric]  131.04 43.41 270 top
R7#12  1k  [R_0603_1608Metric]  41.14 43.41 270 top
R7#13  1k  [R_0603_1608Metric]  86.09 74.89 270 top
R7#14  1k  [R_0603_1608Metric]  131.04 27.67 270 top
R7#15  1k  [R_0603_1608Metric]  41.14 59.15 270 top
R7#16  1k  [R_0603_1608Metric]  86.09 43.41 270 top
R7#17  1k  [R_0603_1608Metric]  41.14 74.89 270 top
R7#18  1k  [R_0603_1608Metric]  131.04 74.89 270 top
R8  1k  [R_0603_1608Metric]  131.04 32.75 270 top
R8#2  1k  [R_0603_1608Metric]  41.14 17.01 270 top
R8#3  1k  [R_0603_1608Metric]  86.09 79.97 270 top
R8#4  1k  [R_0603_1608Metric]  86.09 32.75 270 top
R8#5  1k  [R_0603_1608Metric]  86.09 48.49 270 top
R8#6  1k  [R_0603_1608Metric]  86.09 17.01 270 top
R8#7  1k  [R_0603_1608Metric]  131.04 79.97 270 top
R8#8  1k  [R_0603_1608Metric]  131.04 64.23 270 top
R8#9  1k  [R_0603_1608Metric]  41.14 48.49 270 top
R8#10  1k  [R_0603_1608Metric]  86.09 64.23 270 top
R8#11  1k  [R_0603_1608Metric]  41.14 79.97 270 top
R8#12  1k  [R_0603_1608Metric]  131.04 48.49 270 top
R8#13  1k  [R_0603_1608Metric]  131.04 17.01 270 top
R8#14  1k  [R_0603_1608Metric]  41.14 64.23 270 top
R8#15  1k  [R_0603_1608Metric]  86.09 95.71 270 top
R8#16  1k  [R_0603_1608Metric]  131.04 95.71 270 top
